# Altium PCB LightLink_V3 - Copy.PcbDoc (part 2 of 3) (continued)
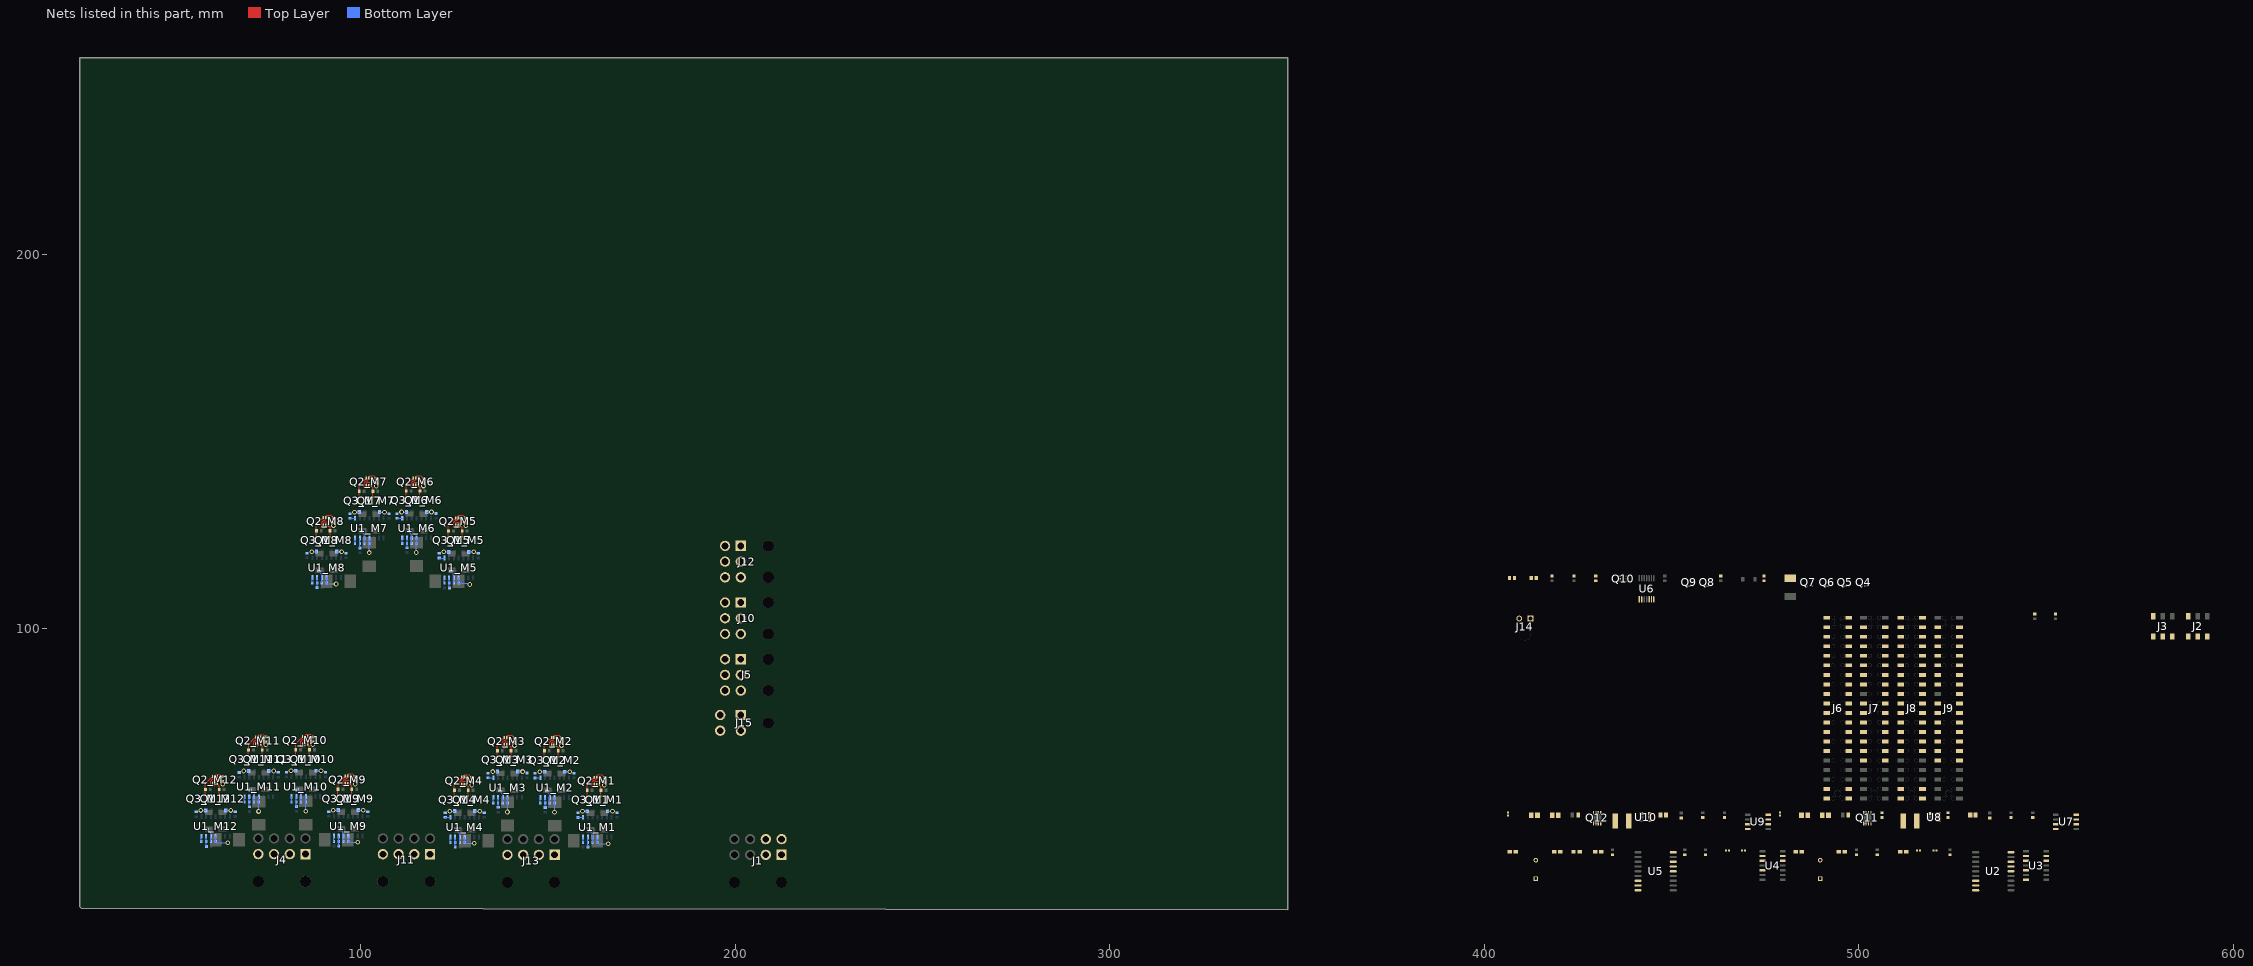
[diagram p2: the nets of this part, all layers, seen from the top]
## Part data (continued)
U8 U10: library part CMP-12757-000001-1, "IC REG BUCK 5V 2A TSOT26", Ambient Temperature Range High=+85°C, Ambient Temperature Range Low=-40°C, Manufacturer="Diodes Inc.", Max Junction Temp=+160°C, Max Supply Voltage=32V, Min Supply Voltage=3.8V, Nominal Supply Current=22uA, Output Current=2A, Output Voltage=5V, Package=TSOT26, Switching Frequency=1100kHz, Temperature="-40°C to +85°C", Automotive=No, Category=IC, ComponentLink2Description=Datasheet, ComponentLink2URL=https://www.diodes.com/assets/Datasheets/AP63200-AP63201-AP63203-AP63205.pdf, Device Class L1="Integrated Circuits (ICs)", Device Class L2="Power Management ICs", Device Class L3="Voltage Regulators - Switching", Digikey Description="IC REG BUCK 5V 2A TSOT26", Footprint Url=https://www.diodes.com/assets/Package-Files/TSOT26.pdf, Height=1mm, Lead Free=Yes, Manufacturer Part Number=AP63205WU-7, Max Duty Cycle=100%, Number of Outputs=1, Octopart=https://octopart.com/ap63205wu-7-diodes+inc.-98099551, Output Type=Fixed, RoHS=TRUE, Standoff Height=0.01mm, Switching Topology=Buck, Temperature Range High=+85°C, Temperature Range Low=-40°C
Y1 Y2: library part CMP-1749-00003-1, "Resistance Weld Thru-Hole Crystal, 16 MHz, -20 to 70 degC, 2-Pin THD, RoHS, Bulk", Case\Package=Axial, Max Operating Temperature="155 degC", Min Operating Temperature="-55 degC", Package Quantity=200, Power Rating="250 mW", Resistance="221 kohm", Tolerance=1%, Voltage Rating="250 V", ComponentLink1Description="Manufacturer URL", ComponentLink1URL=http://www.foxonline.com/, ComponentLink2Description=Datasheet, ComponentLink2URL=http://www.foxonline.com/pdfs/hc49slf.pdf, DatasheetVersion=Mar-15, Length="0.248 inch", Mount="Through Hole", PackageDescription="2-Pin Through Hole Device, Body 11.35 x 4.65 mm", PackageReference=FOXSLF160-20, Packaging=Bulk, RoHSCompliant=true

## Via types
v1: diameter 1.27, hole 0.711, Top Layer to Bottom Layer, 120 vias

## Nets (pads, with @x,y where several pads share a name; then routed paths per layer and width w, separated by ;. In a path a pad name is that pad's centre, name@x,y a point inside that pad or via, vN(x,y) a via of type N, cw(c..) or ccw(c..) an arc to the next point about the centre after c; other vN are vias at no path point)
5V: J6.3 J6.4 J8.3 J8.4
+5: C1.2 C2.1 C3.1 C6.1 C7.1 C8.2 J2.05 J3.05 Q11.5 Q11.6 Q11.7 Q11.8 Q12.5 Q12.6 Q12.7 Q12.8 R11.2 R12.2 R13.1 R15.1 R17.1 R18.1 R28.1 R30.2 R33.1 U2.18 U3.3 U3.5 U4.3 U4.5 U5.18 U7.6 U9.6
+12: J5.1 J5.3 J10.1 J10.3 J12.1 J12.3 J15.1 J15.2
A0: J7.10 J9.10 R1_M12.2 U1_M12.14 | length 1.5
  Bottom Layer w0.254: R1_M12.2@57.44,43.205 57.447,43.213 57.447,44.662 U1_M12.14@57.455,44.67
A1: J7.9 J9.9 R1_M11.2 U1_M11.14 | length 1.5
  Bottom Layer w0.254: R1_M11.2@68.946,53.736 68.954,53.744 68.954,55.193 U1_M11.14@68.961,55.201
A2: J7.12 J9.12 R1_M10.2 U1_M10.14 | length 1.5
  Bottom Layer w0.254: R1_M10.2@81.532,53.795 81.54,53.802 81.54,55.252 U1_M10.14@81.547,55.259
A3: J7.11 J9.11 R1_M9.2 U1_M9.14 | length 1.5
  Bottom Layer w0.254: R1_M9.2@92.835,43.254 92.843,43.261 92.843,44.711 U1_M9.14@92.85,44.718
A4: J7.14 J9.14 R1_M8.2 U1_M8.14 | length 1.5
  Bottom Layer w0.254: R1_M8.2@87.052,112.289 87.059,112.296 87.059,113.746 U1_M8.14@87.067,113.753
A5: J7.13 J9.13 R1_M7.2 U1_M7.14 | length 1.5
  Bottom Layer w0.254: R1_M7.2@98.482,122.83 98.489,122.837 98.489,124.287 U1_M7.14@98.497,124.294
A6: J7.16 J9.16 R1_M6.2 U1_M6.14 | length 1.5
  Bottom Layer w0.254: R1_M6.2@111.068,122.873 111.076,122.88 111.076,124.33 U1_M6.14@111.083,124.337
A7: J7.15 J9.15 R1_M5.2 U1_M5.14 | length 1.5
  Bottom Layer w0.254: R1_M5.2@122.332,112.243 122.34,112.251 122.34,113.7 U1_M5.14@122.347,113.708
A8: J7.18 J9.18 R1_M4.2 U1_M4.14 | length 1.5
  Bottom Layer w0.254: R1_M4.2@123.937,42.986 123.945,42.993 123.945,44.443 U1_M4.14@123.952,44.45
A9: J7.17 J9.17 R1_M3.2 U1_M3.14 | length 1.5
  Bottom Layer w0.254: R1_M3.2@135.38,53.565 135.388,53.572 135.388,55.022 U1_M3.14@135.395,55.029
A10: J7.20 J9.20 R1_M2.2 U1_M2.14 | length 1.5
  Bottom Layer w0.254: R1_M2.2@147.94,53.527 147.948,53.534 147.948,54.984 U1_M2.14@147.955,54.991
A11: J7.19 J9.19 R1_M1.2 U1_M1.14 | length 1.5
  Bottom Layer w0.254: R1_M1.2@159.37,42.977 159.378,42.984 159.378,44.434 U1_M1.14@159.385,44.441
A12: J7.22 J9.22 R23.2 R25.2
A13: J7.21 J9.21 R24.2 R26.2
A14: J7.23 J9.23 R30.1 R31.2
BST_TAP_1: C15.1 L1.1 U8.5
BST_TAP_2: C20.1 L2.1 U10.5
CAN_N: J14.2 R19.1 U3.12 U4.12
CAN_P: J14.1 R19.2 U3.13 U4.13
CS_1: J7.38 U2.16
CS_2: J9.38 U5.16
D2: J6.12 J8.12 Q2_M12.2 Q2_M12.5 R5_M12.2 | length 7.9
  Top Layer w0.254: Q2_M12.5@61.087,58.74 61.018,58.671 61.018,58.182 60.795,57.959 60.079,57.959 59.908,58.13 59.908,59.4 60.452,59.944 60.791,59.944 61.014,60.167 61.014,60.567 61.16,60.713 61.16,61.12 61.309,61.269 62.394,61.269 63.069,60.594 R5_M12.2@63.119,60.594
D3: J6.11 J8.11 R9_M12.2
D4: J6.14 J8.14 R10_M12.2
D5: J6.13 J8.13 Q2_M11.2 Q2_M11.5 R5_M11.2 | length 7.9
  Top Layer w0.254: Q2_M11.5@72.593,69.271 72.524,69.202 72.524,68.713 72.301,68.49 71.585,68.49 71.414,68.661 71.414,69.931 71.958,70.475 72.297,70.475 72.52,70.698 72.52,71.098 72.666,71.244 72.666,71.651 72.815,71.8 73.901,71.8 74.575,71.125 R5_M11.2@74.625,71.125
D6: J6.16 J8.16 R9_M11.2
D7: J6.15 J8.15 R10_M11.2
D8: J6.18 J8.18 Q2_M10.2 Q2_M10.5 R5_M10.2 | length 7.9
  Top Layer w0.254: Q2_M10.5@85.179,69.329 85.11,69.26 85.11,68.771 84.887,68.548 84.172,68.548 84.001,68.719 84.001,69.989 84.544,70.533 84.884,70.533 85.106,70.756 85.106,71.156 85.252,71.302 85.252,71.709 85.401,71.858 86.487,71.858 87.161,71.183 R5_M10.2@87.211,71.183
D9: J6.17 J8.17 R9_M10.2
D10: J6.20 J8.20 R10_M10.2
D11: J6.19 J8.19 Q2_M9.2 Q2_M9.5 R5_M9.2 | length 7.9
  Top Layer w0.254: Q2_M9.5@96.482,58.788 96.413,58.719 96.413,58.23 96.19,58.007 95.475,58.007 95.304,58.178 95.304,59.448 95.847,59.992 96.187,59.992 96.409,60.215 96.409,60.615 96.555,60.761 96.555,61.168 96.704,61.317 97.79,61.317 98.464,60.642 R5_M9.2@98.514,60.642
D12: J6.22 J8.22 R9_M9.2
D13: J6.21 J8.21 R10_M9.2
D14: J6.24 J8.24 Q2_M8.2 Q2_M8.5 R5_M8.2 | length 7.9
  Top Layer w0.254: Q2_M8.5@90.699,127.823 90.63,127.754 90.63,127.266 90.407,127.042 89.691,127.042 89.52,127.213 89.52,128.483 90.064,129.027 90.403,129.027 90.626,129.25 90.626,129.65 90.772,129.796 90.772,130.203 90.921,130.352 92.006,130.352 92.681,129.677 R5_M8.2@92.731,129.677
D15: J6.23 J8.23 R9_M8.2
D16: J6.26 J8.26 R10_M8.2
D17: J6.25 J8.25 Q2_M7.2 Q2_M7.5 R5_M7.2 | length 7.9
  Top Layer w0.254: Q2_M7.5@102.129,138.364 102.06,138.295 102.06,137.807 101.837,137.583 101.121,137.583 100.95,137.754 100.95,139.024 101.494,139.568 101.833,139.568 102.056,139.791 102.056,140.191 102.202,140.337 102.202,140.744 102.351,140.893 103.436,140.893 104.111,140.218 R5_M7.2@104.161,140.218
D18: J6.28 J8.28 R9_M7.2
D19: J6.27 J8.27 R10_M7.2
D20: J6.30 J8.30 Q2_M6.2 Q2_M6.5 R5_M6.2 | length 7.9
  Top Layer w0.254: Q2_M6.5@114.715,138.407 114.646,138.338 114.646,137.849 114.423,137.626 113.707,137.626 113.536,137.797 113.536,139.067 114.08,139.611 114.419,139.611 114.642,139.834 114.642,140.234 114.788,140.38 114.788,140.787 114.937,140.936 116.023,140.936 116.697,140.261 R5_M6.2@116.747,140.261
D21: J6.29 J8.29 R9_M6.2
D22: J6.32 J8.32 R10_M6.2
D23: J6.31 J8.31 Q2_M5.2 Q2_M5.5 R5_M5.2 | length 7.9
  Top Layer w0.254: Q2_M5.5@125.98,127.778 125.911,127.709 125.911,127.22 125.687,126.997 124.972,126.997 124.801,127.168 124.801,128.438 125.345,128.982 125.684,128.982 125.907,129.205 125.907,129.605 126.053,129.751 126.053,130.158 126.201,130.307 127.287,130.307 127.962,129.632 R5_M5.2@128.012,129.632
D24: J6.34 J8.34 R9_M5.2
D25: J6.33 J8.33 R10_M5.2
D26: J6.36 J8.36 Q2_M4.2 Q2_M4.5 R5_M4.2 | length 7.9
  Top Layer w0.254: Q2_M4.5@127.584,58.52 127.515,58.451 127.515,57.962 127.292,57.739 126.576,57.739 126.405,57.91 126.405,59.18 126.949,59.724 127.288,59.724 127.511,59.947 127.511,60.347 127.657,60.493 127.657,60.9 127.806,61.049 128.892,61.049 129.566,60.374 R5_M4.2@129.616,60.374
D27: J6.35 J8.35 R9_M4.2
D28: J6.38 J8.38 R10_M4.2
D29: J6.37 J8.37 Q2_M3.2 Q2_M3.5 R5_M3.2 | length 7.9
  Top Layer w0.254: Q2_M3.5@139.028,69.099 138.959,69.03 138.959,68.542 138.735,68.318 138.02,68.318 137.849,68.489 137.849,69.759 138.393,70.303 138.732,70.303 138.955,70.526 138.955,70.926 139.101,71.072 139.101,71.479 139.249,71.628 140.335,71.628 141.01,70.953 R5_M3.2@141.06,70.953
D30: J6.40 J8.40 R9_M3.2
D31: J6.39 J8.39 R10_M3.2
D32: J7.26 J9.26 Q2_M2.2 Q2_M2.5 R5_M2.2 | length 7.9
  Top Layer w0.254: Q2_M2.5@151.587,69.061 151.518,68.992 151.518,68.503 151.295,68.28 150.579,68.28 150.408,68.451 150.408,69.721 150.952,70.265 151.291,70.265 151.514,70.488 151.514,70.888 151.66,71.034 151.66,71.441 151.809,71.59 152.895,71.59 153.569,70.915 R5_M2.2@153.619,70.915
D33: J7.25 J9.25 R9_M2.2
D34: J7.28 J9.28 R10_M2.2
D35: J7.27 J9.27 Q2_M1.2 Q2_M1.5 R5_M1.2 | length 7.9
  Top Layer w0.254: Q2_M1.5@163.017,58.511 162.948,58.442 162.948,57.954 162.725,57.73 162.009,57.73 161.838,57.901 161.838,59.171 162.382,59.715 162.721,59.715 162.944,59.938 162.944,60.338 163.09,60.484 163.09,60.891 163.239,61.04 164.325,61.04 164.999,60.365 R5_M1.2@165.049,60.365
D36: J7.30 J9.30 R9_M1.2
D37: J7.29 J9.29 R10_M1.2
D38: J5.2 J7.32 J9.32
D39: J5.5 J7.31 J9.31
D40: J7.34 J9.34 J10.2
D41: J7.33 J9.33 J10.5
D42: J7.36 J9.36 J12.2
D43: J7.35 J9.35 J12.5
D45: J7.37 J9.37 R35.1 U6.2
FB_TAP_1: C11.2 C13.1 C14.1 L1.2 Q11.1 Q11.2 Q11.3 U7.7 U8.1
FB_TAP_2: C16.2 C18.1 C19.1 L2.2 Q12.1 Q12.2 Q12.3 U9.7 U10.1
GND: C1.1 C2.2 C3.2 C4.1 C5.1 C6.2 C7.2 C8.1 C9.1 C10.1 C12.2 C13.2 C14.2 C17.2 C18.2 C19.2 J1.1 J1.2 J1.5 J1.6 J2.01 J3.01 J4.1 J4.2 J4.3 J4.4 J5.4 J5.6 J6.1 J6.2 J8.1 J8.2 J10.4 J10.6 J11.1 J11.2 J11.3 J11.4 J12.4 J12.6 J13.1 J13.2 J13.3 J13.4 J15.3 J15.4 Q2_M1.1 Q2_M1.4 Q2_M2.1 Q2_M2.4 Q2_M3.1 Q2_M3.4 Q2_M4.1 Q2_M4.4 Q2_M5.1 Q2_M5.4 Q2_M6.1 Q2_M6.4 Q2_M7.1 Q2_M7.4 Q2_M8.1 Q2_M8.4 Q2_M9.1 Q2_M9.4 Q2_M10.1 Q2_M10.4 Q2_M11.1 Q2_M11.4 Q2_M12.1 Q2_M12.4 Q10.1 R4_M1.1 R4_M2.1 R4_M3.1 R4_M4.1 R4_M5.1 R4_M6.1 R4_M7.1 R4_M8.1 R4_M9.1 R4_M10.1 R4_M11.1 R4_M12.1 R5_M1.1 R5_M2.1 R5_M3.1 R5_M4.1 R5_M5.1 R5_M6.1 R5_M7.1 R5_M8.1 R5_M9.1 R5_M10.1 R5_M11.1 R5_M12.1 R14.1 R16.1 R20.2 R22.2 R25.1 R26.1 R27.1 R31.1 R32.1 R35.2 R36_M1.1 R36_M2.1 R36_M3.1 R36_M4.1 R36_M5.1 R36_M6.1 R36_M7.1 R36_M8.1 R36_M9.1 R36_M10.1 R36_M11.1 R36_M12.1 R37_M1.1 R37_M2.1 R37_M3.1 R37_M4.1 R37_M5.1 R37_M6.1 R37_M7.1 R37_M8.1 R37_M9.1 R37_M10.1 R37_M11.1 R37_M12.1 U1_M1.11 U1_M2.11 U1_M3.11 U1_M4.11 U1_M5.11 U1_M6.11 U1_M7.11 U1_M8.11 U1_M9.11 U1_M10.11 U1_M11.11 U1_M12.11 U2.9 U3.2 U4.2 U5.9 U6.7 U7.3 U7.4 U8.4 U9.3 U9.4 U10.4 | length 139.7
  Top Layer w0.254: Q2_M12.4@60.437,58.74 60.508,58.811 60.508,59.3 60.729,59.521 62.635,59.521 ; Q2_M12.1@61.737,60.64 61.737,60.44 62.635,59.542 62.871,59.542 R5_M12.1@63.119,59.294 ; Q2_M11.4@71.943,69.271 72.014,69.342 72.014,69.831 72.235,70.052 74.141,70.052 ; Q2_M11.1@73.243,71.171 73.243,70.971 74.141,70.073 74.377,70.073 R5_M11.1@74.625,69.825 ; Q2_M10.4@84.529,69.329 84.6,69.4 84.6,69.889 84.822,70.11 86.727,70.11 ; Q2_M10.1@85.83,71.229 85.83,71.029 86.727,70.131 86.963,70.131 R5_M10.1@87.211,69.883 ; Q2_M8.4@90.049,127.823 90.12,127.894 90.12,128.383 90.341,128.604 92.247,128.604 ; Q2_M8.1@91.349,129.723 91.349,129.523 92.247,128.625 92.483,128.625 R5_M8.1@92.731,128.377 ; Q2_M9.4@95.832,58.788 95.903,58.859 95.903,59.348 96.125,59.569 98.03,59.569 ; Q2_M9.1@97.133,60.688 97.133,60.488 98.03,59.59 98.266,59.59 R5_M9.1@98.514,59.342 ; Q2_M7.4@101.479,138.364 101.55,138.435 101.55,138.924 101.771,139.145 103.677,139.145 ; Q2_M7.1@102.779,140.264 102.779,140.064 103.677,139.166 103.913,139.166 R5_M7.1@104.161,138.918 ; Q2_M6.4@114.065,138.407 114.136,138.478 114.136,138.967 114.357,139.188 116.263,139.188 ; Q2_M6.1@115.365,140.307 115.365,140.107 116.263,139.209 116.499,139.209 R5_M6.1@116.747,138.961 ; Q2_M5.4@125.33,127.778 125.401,127.849 125.401,128.338 125.622,128.559 127.528,128.559 ; Q2_M5.1@126.63,129.678 126.63,129.478 127.528,128.58 127.764,128.58 R5_M5.1@128.012,128.332 ; Q2_M4.4@126.934,58.52 127.005,58.591 127.005,59.08 127.226,59.301 129.132,59.301 ; Q2_M4.1@128.234,60.42 128.234,60.22 129.132,59.322 129.368,59.322 R5_M4.1@129.616,59.074 ; Q2_M3.4@138.378,69.099 138.449,69.17 138.449,69.659 138.67,69.88 140.576,69.88 ; Q2_M3.1@139.678,70.999 139.678,70.799 140.576,69.901 140.812,69.901 R5_M3.1@141.06,69.653 ; Q2_M2.4@150.937,69.061 151.008,69.132 151.008,69.621 151.229,69.842 153.135,69.842 ; Q2_M2.1@152.237,70.961 152.237,70.761 153.135,69.863 153.371,69.863 R5_M2.1@153.619,69.615 ; Q2_M1.4@162.367,58.511 162.438,58.582 162.438,59.071 162.659,59.292 164.565,59.292 ; Q2_M1.1@163.667,60.411 163.667,60.211 164.565,59.313 164.801,59.313 R5_M1.1@165.049,59.065
  Bottom Layer w0.254: v1(57.277,51.562) R36_M12.1@58.584,51.562 ; U1_M12.11@61.265,44.67 61.272,44.662 61.272,43.213 R4_M12.1@61.28,43.205 61.28,43.105 61.453,42.932 64.51,42.932 v1(64.516,42.926) ; R37_M12.1@63.971,51.562 v1(65.278,51.562) ; v1(68.783,62.093) R36_M11.1@70.09,62.093 ; v1(72.72,51.298) 72.753,51.331 72.753,53.703 R4_M11.1@72.786,53.736 72.779,53.744 72.779,55.193 U1_M11.11@72.771,55.201 ; R37_M11.1@75.477,62.093 v1(76.784,62.093) ; v1(81.369,62.151) R36_M10.1@82.676,62.151 ; v1(85.306,51.356) 85.339,51.389 85.339,53.762 R4_M10.1@85.372,53.795 85.365,53.802 85.365,55.251 U1_M10.11@85.357,55.259 ; v1(86.889,120.645) R36_M8.1@88.196,120.645 ; R37_M10.1@88.063,62.151 v1(89.37,62.151) ; U1_M8.11@90.877,113.753 90.884,113.746 90.884,112.296 R4_M8.1@90.892,112.289 90.892,112.189 91.065,112.016 93.405,112.016 v1(93.417,112.004) ; v1(92.672,51.61) R36_M9.1@93.979,51.61 ; R37_M8.1@93.583,120.645 v1(94.89,120.645) ; U1_M9.11@96.66,44.718 96.668,44.71 96.668,43.261 R4_M9.1@96.675,43.254 96.675,43.226 96.848,43.053 v1(99.187,43.053) ; v1(98.319,131.186) R36_M7.1@99.626,131.186 ; R37_M9.1@99.366,51.61 v1(100.673,51.61) ; v1(102.256,120.391) 102.289,120.424 102.289,122.797 R4_M7.1@102.322,122.83 102.314,122.837 102.314,124.287 U1_M7.11@102.307,124.294 ; R37_M7.1@105.013,131.186 v1(106.32,131.186) ; v1(110.905,131.229) R36_M6.1@112.212,131.229 ; v1(114.842,120.434) 114.875,120.467 114.875,122.84 R4_M6.1@114.908,122.873 114.901,122.88 114.901,124.33 U1_M6.11@114.893,124.337 ; R37_M6.1@117.599,131.229 v1(118.906,131.229) ; v1(122.17,120.6) R36_M5.1@123.477,120.6 ; v1(123.774,51.342) R36_M4.1@125.081,51.342 ; U1_M5.11@126.157,113.708 126.165,113.7 126.165,112.251 R4_M5.1@126.172,112.243 128.463,112.243 128.829,111.877 v1(129.104,111.877) ; U1_M4.11@127.762,44.45 127.77,44.442 127.77,42.993 R4_M4.1@127.777,42.986 127.777,42.972 127.95,42.799 v1(130.302,42.799) ; R37_M5.1@128.864,120.6 v1(130.171,120.6) ; R37_M4.1@130.468,51.342 v1(131.775,51.342) ; v1(135.218,61.921) R36_M3.1@136.525,61.921 ; v1(139.155,51.126) 139.188,51.159 139.188,53.532 R4_M3.1@139.22,53.565 139.213,53.572 139.213,55.022 U1_M3.11@139.205,55.029 ; R37_M3.1@141.912,61.921 v1(143.219,61.921) ; v1(147.777,61.883) R36_M2.1@149.084,61.883 ; v1(151.714,51.088) 151.747,51.121 151.747,53.494 R4_M2.1@151.78,53.527 151.773,53.534 151.773,54.983 U1_M2.11@151.765,54.991 ; R37_M2.1@154.471,61.883 v1(155.778,61.883) ; v1(159.207,51.333) R36_M1.1@160.514,51.333 ; U1_M1.11@163.195,44.441 163.203,44.434 163.203,42.984 R4_M1.1@163.21,42.977 163.21,42.877 163.383,42.704 166.084,42.704 v1(166.116,42.672) ; R37_M1.1@165.901,51.333 v1(167.208,51.333)
  other v1: 129.616,58.327 165.049,58.318 63.119,58.547 98.514,58.595 153.619,68.868 141.06,68.906 74.625,69.078 87.211,69.136 128.012,127.585 92.731,127.63 104.161,138.171 116.747,138.214
INH: U3.7 U6.6
MISO_1: J2.06 U2.15
MISO_2: J3.06 U5.15
MOSI_1: J2.03 U2.14
MOSI_2: J3.03 U5.14
NetC4_2: C4.2 U2.8 Y1.2
NetC5_2: C5.2 U2.7 Y1.1
NetC9_2: C9.2 U5.8 Y2.2
NetC10_2: C10.2 U5.7 Y2.1
NetC11_1: C11.1 U7.8
NetC15_2: C15.2 U8.6
NetC16_1: C16.1 U9.8
NetC20_2: C20.2 U10.6
NetF1_2: F1.2 Q4.5-6-7-8 Q7.5-6-7-8
NetQ1_M1_4: Q1_M1.4 Q2_M1.6 R8_M1.1 | length 3.3
  Top Layer w0.254: Q2_M1.6@163.667,58.511 163.667,58.311 164.145,57.833 R8_M1.1@164.145,56.921 164.113,56.889 164.113,55.425 Q1_M1.4@164.081,55.393
NetQ1_M2_4: Q1_M2.4 Q2_M2.6 R8_M2.1 | length 3.3
  Top Layer w0.254: Q2_M2.6@152.237,69.061 152.237,68.861 152.715,68.383 R8_M2.1@152.715,67.471 152.683,67.439 152.683,65.975 Q1_M2.4@152.651,65.943
NetQ1_M3_4: Q1_M3.4 Q2_M3.6 R8_M3.1 | length 3.3
  Top Layer w0.254: Q2_M3.6@139.678,69.099 139.678,68.899 140.156,68.421 R8_M3.1@140.156,67.509 140.124,67.477 140.124,66.013 Q1_M3.4@140.092,65.981
NetQ1_M4_4: Q1_M4.4 Q2_M4.6 R8_M4.1 | length 3.3
  Top Layer w0.254: Q2_M4.6@128.234,58.52 128.234,58.32 128.712,57.842 R8_M4.1@128.712,56.93 128.68,56.898 128.68,55.434 Q1_M4.4@128.648,55.402
NetQ1_M5_4: Q1_M5.4 Q2_M5.6 R8_M5.1 | length 3.3
  Top Layer w0.254: Q2_M5.6@126.63,127.778 126.63,127.578 127.108,127.1 R8_M5.1@127.108,126.188 127.076,126.156 127.076,124.692 Q1_M5.4@127.044,124.66
NetQ1_M6_4: Q1_M6.4 Q2_M6.6 R8_M6.1 | length 3.3
  Top Layer w0.254: Q2_M6.6@115.365,138.407 115.365,138.207 115.843,137.729 R8_M6.1@115.843,136.817 115.811,136.785 115.811,135.321 Q1_M6.4@115.779,135.289
NetQ1_M7_4: Q1_M7.4 Q2_M7.6 R8_M7.1 | length 3.3
  Top Layer w0.254: Q2_M7.6@102.779,138.364 102.779,138.164 103.257,137.686 R8_M7.1@103.257,136.774 103.225,136.742 103.225,135.278 Q1_M7.4@103.193,135.246
NetQ1_M8_4: Q1_M8.4 Q2_M8.6 R8_M8.1 | length 3.3
  Top Layer w0.254: Q2_M8.6@91.349,127.823 91.349,127.623 91.827,127.145 R8_M8.1@91.827,126.233 91.795,126.201 91.795,124.737 Q1_M8.4@91.763,124.705
NetQ1_M9_4: Q1_M9.4 Q2_M9.6 R8_M9.1 | length 3.3
  Top Layer w0.254: Q2_M9.6@97.133,58.788 97.133,58.588 97.61,58.11 R8_M9.1@97.61,57.198 97.578,57.166 97.578,55.702 Q1_M9.4@97.547,55.67
NetQ1_M10_4: Q1_M10.4 Q2_M10.6 R8_M10.1 | length 3.3
  Top Layer w0.254: Q2_M10.6@85.83,69.329 85.83,69.129 86.307,68.651 R8_M10.1@86.307,67.739 86.275,67.707 86.275,66.243 Q1_M10.4@86.244,66.211
NetQ1_M11_4: Q1_M11.4 Q2_M11.6 R8_M11.1 | length 3.3
  Top Layer w0.254: Q2_M11.6@73.243,69.271 73.243,69.071 73.721,68.593 R8_M11.1@73.721,67.681 73.689,67.649 73.689,66.185 Q1_M11.4@73.657,66.153
NetQ1_M12_4: Q1_M12.4 Q2_M12.6 R8_M12.1 | length 3.3
  Top Layer w0.254: Q2_M12.6@61.737,58.74 61.737,58.54 62.215,58.062 R8_M12.1@62.215,57.15 62.183,57.118 62.183,55.654 Q1_M12.4@62.151,55.622
NetQ2_M1_3: Q2_M1.3 Q3_M1.4 R7_M1.1 | length 6
  Top Layer w0.254: Q3_M1.4@160.398,55.393 160.43,55.425 160.43,56.889 R7_M1.1@160.462,56.921 160.462,58.506 162.094,60.138 162.294,60.138 162.367,60.211 Q2_M1.3@162.367,60.411
NetQ2_M2_3: Q2_M2.3 Q3_M2.4 R7_M2.1 | length 6
  Top Layer w0.254: Q3_M2.4@148.968,65.943 149,65.975 149,67.439 R7_M2.1@149.032,67.471 149.032,69.056 150.664,70.688 150.864,70.688 150.937,70.761 Q2_M2.3@150.937,70.961
NetQ2_M3_3: Q2_M3.3 Q3_M3.4 R7_M3.1 | length 6
  Top Layer w0.254: Q3_M3.4@136.409,65.981 136.441,66.013 136.441,67.477 R7_M3.1@136.473,67.509 136.473,69.094 138.105,70.726 138.305,70.726 138.378,70.799 Q2_M3.3@138.378,70.999
NetQ2_M4_3: Q2_M4.3 Q3_M4.4 R7_M4.1 | length 6
  Top Layer w0.254: Q3_M4.4@124.965,55.402 124.997,55.434 124.997,56.898 R7_M4.1@125.029,56.93 125.029,58.515 126.661,60.147 126.861,60.147 126.934,60.22 Q2_M4.3@126.934,60.42
NetQ2_M5_3: Q2_M5.3 Q3_M5.4 R7_M5.1 | length 6
  Top Layer w0.254: Q3_M5.4@123.361,124.66 123.393,124.692 123.393,126.156 R7_M5.1@123.425,126.188 123.425,127.773 125.057,129.405 125.257,129.405 125.33,129.478 Q2_M5.3@125.33,129.678
NetQ2_M6_3: Q2_M6.3 Q3_M6.4 R7_M6.1 | length 6
  Top Layer w0.254: Q3_M6.4@112.096,135.289 112.128,135.321 112.128,136.785 R7_M6.1@112.16,136.817 112.16,138.402 113.792,140.034 113.992,140.034 114.065,140.107 Q2_M6.3@114.065,140.307
NetQ2_M7_3: Q2_M7.3 Q3_M7.4 R7_M7.1 | length 6
  Top Layer w0.254: Q3_M7.4@99.51,135.246 99.542,135.278 99.542,136.742 R7_M7.1@99.574,136.774 99.574,138.359 101.206,139.991 101.406,139.991 101.479,140.064 Q2_M7.3@101.479,140.264
NetQ2_M8_3: Q2_M8.3 Q3_M8.4 R7_M8.1 | length 6
  Top Layer w0.254: Q3_M8.4@88.08,124.705 88.112,124.737 88.112,126.201 R7_M8.1@88.144,126.233 88.144,127.818 89.776,129.45 89.976,129.45 90.049,129.523 Q2_M8.3@90.049,129.723
NetQ2_M9_3: Q2_M9.3 Q3_M9.4 R7_M9.1 | length 6
  Top Layer w0.254: Q3_M9.4@93.864,55.67 93.895,55.702 93.895,57.166 R7_M9.1@93.927,57.198 93.927,58.783 95.559,60.415 95.759,60.415 95.832,60.488 Q2_M9.3@95.832,60.688
NetQ2_M10_3: Q2_M10.3 Q3_M10.4 R7_M10.1 | length 6
  Top Layer w0.254: Q3_M10.4@82.561,66.211 82.592,66.243 82.592,67.707 R7_M10.1@82.624,67.739 82.624,69.324 84.256,70.956 84.456,70.956 84.529,71.029 Q2_M10.3@84.529,71.229
NetQ2_M11_3: Q2_M11.3 Q3_M11.4 R7_M11.1 | length 6
  Top Layer w0.254: Q3_M11.4@69.974,66.153 70.006,66.185 70.006,67.649 R7_M11.1@70.038,67.681 70.038,69.266 71.67,70.898 71.87,70.898 71.943,70.971 Q2_M11.3@71.943,71.171
NetQ2_M12_3: Q2_M12.3 Q3_M12.4 R7_M12.1 | length 6
  Top Layer w0.254: Q3_M12.4@58.468,55.622 58.5,55.654 58.5,57.118 R7_M12.1@58.532,57.15 58.532,58.735 60.164,60.367 60.364,60.367 60.437,60.44 Q2_M12.3@60.437,60.64
NetQ5_1: Q5.1 Q5.2 Q5.3 Q6.1 Q6.2 Q6.3
NetQ8_1: Q8.1 Q8.2 Q8.3 Q9.1 Q9.2 Q9.3
NetQ10_2: Q10.2 R22.1 U6.1 U6.5
NetQ11_4: Q11.4 R29.1
NetQ12_4: Q12.4 R34.1
NetR1_M1_1: R1_M1.1 R2_M1.1 U1_M1.13 | length 2.7
  Bottom Layer w0.254: U1_M1.13@160.655,44.441 160.663,44.434 160.663,42.984 R1_M1.1@160.67,42.977 160.67,41.808 R2_M1.1@160.68,41.798
NetR1_M2_1: R1_M2.1 R2_M2.1 U1_M2.13 | length 2.7
  Bottom Layer w0.254: U1_M2.13@149.225,54.991 149.233,54.983 149.233,53.534 R1_M2.1@149.24,53.527 149.24,52.358 R2_M2.1@149.25,52.348
NetR1_M3_1: R1_M3.1 R2_M3.1 U1_M3.13 | length 2.7
  Bottom Layer w0.254: U1_M3.13@136.665,55.029 136.673,55.022 136.673,53.572 R1_M3.1@136.68,53.565 136.68,52.396 R2_M3.1@136.691,52.386
NetR1_M4_1: R1_M4.1 R2_M4.1 U1_M4.13 | length 2.7
  Bottom Layer w0.254: U1_M4.13@125.222,44.45 125.23,44.442 125.23,42.993 R1_M4.1@125.237,42.986 125.237,41.817 R2_M4.1@125.247,41.807
NetR1_M5_1: R1_M5.1 R2_M5.1 U1_M5.13 | length 2.7
  Bottom Layer w0.254: U1_M5.13@123.617,113.708 123.625,113.7 123.625,112.251 R1_M5.1@123.632,112.243 123.632,111.075 R2_M5.1@123.643,111.065
NetR1_M6_1: R1_M6.1 R2_M6.1 U1_M6.13 | length 2.7
  Bottom Layer w0.254: U1_M6.13@112.353,124.337 112.361,124.33 112.361,122.88 R1_M6.1@112.368,122.873 112.368,121.704 R2_M6.1@112.379,121.694
NetR1_M7_1: R1_M7.1 R2_M7.1 U1_M7.13 | length 2.7
  Bottom Layer w0.254: U1_M7.13@99.767,124.294 99.774,124.287 99.774,122.837 R1_M7.1@99.782,122.83 99.782,121.661 R2_M7.1@99.792,121.651
NetR1_M8_1: R1_M8.1 R2_M8.1 U1_M8.13 | length 2.7
  Bottom Layer w0.254: U1_M8.13@88.337,113.753 88.344,113.746 88.344,112.296 R1_M8.1@88.352,112.289 88.352,111.12 R2_M8.1@88.362,111.11
NetR1_M9_1: R1_M9.1 R2_M9.1 U1_M9.13 | length 2.7
  Bottom Layer w0.254: U1_M9.13@94.12,44.718 94.128,44.71 94.128,43.261 R1_M9.1@94.135,43.254 94.135,42.085 R2_M9.1@94.146,42.075
NetR1_M10_1: R1_M10.1 R2_M10.1 U1_M10.13 | length 2.7
  Bottom Layer w0.254: U1_M10.13@82.817,55.259 82.825,55.251 82.825,53.802 R1_M10.1@82.832,53.795 82.832,52.626 R2_M10.1@82.843,52.616
NetR1_M11_1: R1_M11.1 R2_M11.1 U1_M11.13 | length 2.7
  Bottom Layer w0.254: U1_M11.13@70.231,55.201 70.239,55.193 70.239,53.744 R1_M11.1@70.246,53.736 70.246,52.568 R2_M11.1@70.256,52.558
NetR1_M12_1: R1_M12.1 R2_M12.1 U1_M12.13 | length 2.7
  Bottom Layer w0.254: U1_M12.13@58.725,44.67 58.732,44.662 58.732,43.213 R1_M12.1@58.74,43.205 58.74,42.037 R2_M12.1@58.75,42.027
NetR3_M1_1: R3_M1.1 R4_M1.2 U1_M1.12 | length 3.7
  Bottom Layer w0.254: R3_M1.1@160.97,46.253 160.97,46.203 161.218,45.955 161.268,45.955 161.925,45.299 U1_M1.12@161.925,44.441 161.917,44.434 161.917,42.984 R4_M1.2@161.91,42.977
NetR3_M2_1: R3_M2.1 R4_M2.2 U1_M2.12 | length 3.7
  Bottom Layer w0.254: R3_M2.1@149.54,56.803 149.54,56.753 149.788,56.505 149.838,56.505 150.495,55.848 U1_M2.12@150.495,54.991 150.487,54.983 150.487,53.534 R4_M2.2@150.48,53.527
NetR3_M3_1: R3_M3.1 R4_M3.2 U1_M3.12 | length 3.7
  Bottom Layer w0.254: R3_M3.1@136.981,56.841 136.981,56.791 137.229,56.543 137.279,56.543 137.935,55.887 U1_M3.12@137.935,55.029 137.928,55.022 137.928,53.572 R4_M3.2@137.92,53.565
NetR3_M4_1: R3_M4.1 R4_M4.2 U1_M4.12 | length 3.7
  Bottom Layer w0.254: R3_M4.1@125.537,46.262 125.537,46.212 125.785,45.964 125.835,45.964 126.492,45.307 U1_M4.12@126.492,44.45 126.484,44.442 126.484,42.993 R4_M4.2@126.477,42.986
NetR3_M5_1: R3_M5.1 R4_M5.2 U1_M5.12 | length 3.7
  Bottom Layer w0.254: R3_M5.1@123.933,115.52 123.933,115.47 124.181,115.222 124.231,115.222 124.887,114.565 U1_M5.12@124.887,113.708 124.88,113.7 124.88,112.251 R4_M5.2@124.872,112.243
NetR3_M6_1: R3_M6.1 R4_M6.2 U1_M6.12 | length 3.7
  Bottom Layer w0.254: R3_M6.1@112.668,126.149 112.668,126.099 112.916,125.851 112.966,125.851 113.623,125.194 U1_M6.12@113.623,124.337 113.616,124.33 113.616,122.88 R4_M6.2@113.608,122.873
NetR3_M7_1: R3_M7.1 R4_M7.2 U1_M7.12 | length 3.7
  Bottom Layer w0.254: R3_M7.1@100.082,126.106 100.082,126.056 100.33,125.808 100.38,125.808 101.037,125.152 U1_M7.12@101.037,124.294 101.029,124.287 101.029,122.837 R4_M7.2@101.022,122.83
NetR3_M8_1: R3_M8.1 R4_M8.2 U1_M8.12 | length 3.7
  Bottom Layer w0.254: R3_M8.1@88.652,115.565 88.652,115.515 88.9,115.267 88.95,115.267 89.607,114.611 U1_M8.12@89.607,113.753 89.599,113.746 89.599,112.296 R4_M8.2@89.592,112.289
NetR3_M9_1: R3_M9.1 R4_M9.2 U1_M9.12 | length 3.7
  Bottom Layer w0.254: R3_M9.1@94.435,46.53 94.435,46.48 94.683,46.232 94.733,46.232 95.39,45.575 U1_M9.12@95.39,44.718 95.383,44.71 95.383,43.261 R4_M9.2@95.375,43.254
NetR3_M10_1: R3_M10.1 R4_M10.2 U1_M10.12 | length 3.7
  Bottom Layer w0.254: R3_M10.1@83.132,57.071 83.132,57.021 83.38,56.773 83.43,56.773 84.087,56.116 U1_M10.12@84.087,55.259 84.08,55.251 84.08,53.802 R4_M10.2@84.072,53.795
NetR3_M11_1: R3_M11.1 R4_M11.2 U1_M11.12 | length 3.7
  Bottom Layer w0.254: R3_M11.1@70.546,57.013 70.546,56.963 70.794,56.715 70.844,56.715 71.501,56.058 U1_M11.12@71.501,55.201 71.493,55.193 71.493,53.744 R4_M11.2@71.486,53.736
NetR3_M12_1: R3_M12.1 R4_M12.2 U1_M12.12 | length 3.7
  Bottom Layer w0.254: R3_M12.1@59.04,46.482 59.04,46.432 59.288,46.184 59.338,46.184 59.995,45.527 U1_M12.12@59.995,44.67 59.987,44.662 59.987,43.213 R4_M12.2@59.98,43.205
NetR9_M1_1: R9_M1.1 U1_M1.1 | length 1.4
  Bottom Layer w0.254: R9_M1.1@157.988,49.677 159.371,49.677 U1_M1.1@159.385,49.691
NetR9_M2_1: R9_M2.1 U1_M2.1 | length 1.4
  Bottom Layer w0.254: R9_M2.1@146.558,60.227 147.941,60.227 U1_M2.1@147.955,60.241
NetR9_M3_1: R9_M3.1 U1_M3.1 | length 1.4
  Bottom Layer w0.254: R9_M3.1@133.998,60.265 135.381,60.265 U1_M3.1@135.395,60.279
NetR9_M4_1: R9_M4.1 U1_M4.1 | length 1.4
  Bottom Layer w0.254: R9_M4.1@122.555,49.686 123.938,49.686 U1_M4.1@123.952,49.7
NetR9_M5_1: R9_M5.1 U1_M5.1 | length 1.4
  Bottom Layer w0.254: R9_M5.1@120.95,118.944 122.333,118.944 U1_M5.1@122.347,118.958
NetR9_M6_1: R9_M6.1 U1_M6.1 | length 1.4
  Bottom Layer w0.254: R9_M6.1@109.686,129.573 111.069,129.573 U1_M6.1@111.083,129.587
NetR9_M7_1: R9_M7.1 U1_M7.1 | length 1.4
  Bottom Layer w0.254: R9_M7.1@97.1,129.53 98.483,129.53 U1_M7.1@98.497,129.544